# KiCad board helios-panel.kicad_pcb (continued)
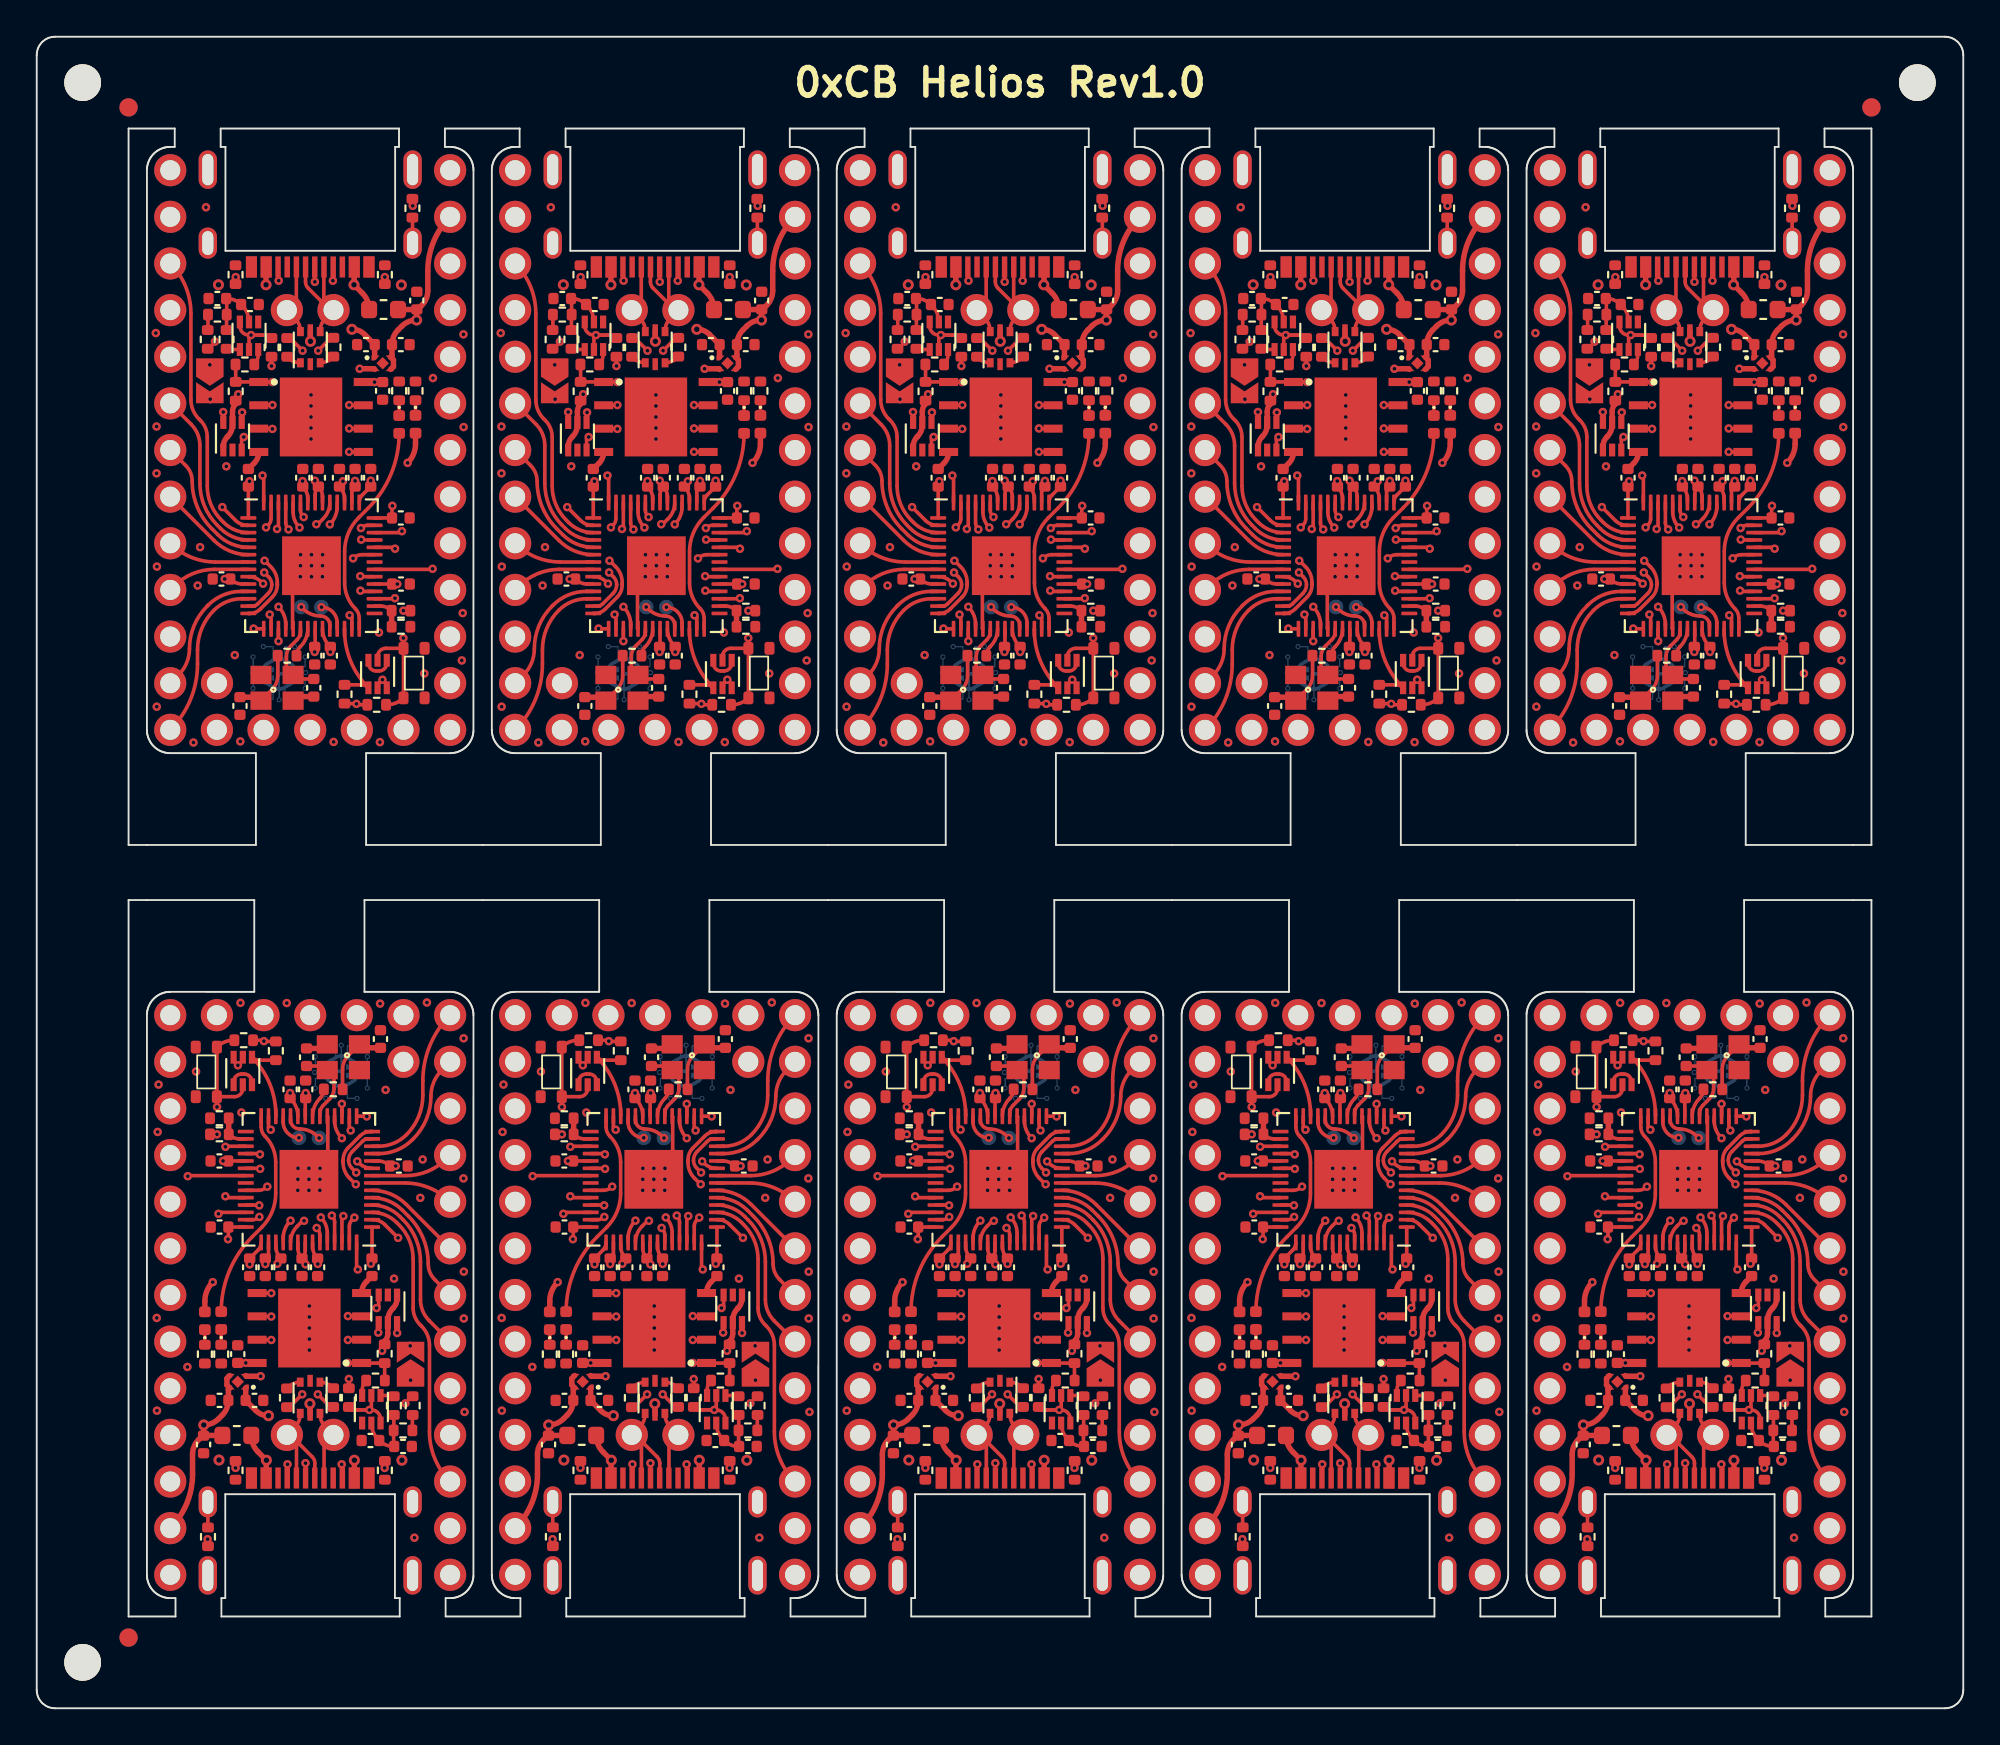
[diagram p0: board, top side]
## Routing (per net, layer and track width the routed paths; a pad name or vN(x,y) marks a point on that pad's centre or on a via; arc(x,y) is an arc through that point) (continued)
Board_4-Net-(C1-Pad1): length 3.7
  Top w0.2: 85.45,75.06 85.45,75.9 R5#3.1 85.47,76.75 C1#8.1 85.47,76.78 arc(85.89,76.7) C2.1 86.31,76.39 arc(86.58,75.99) Q2.5
Board_4-Net-(C7-Pad2): length 4.1
  Top w0.2: C7#4.2 89.3,56.06 Y1#9.3 88.86,56.5 arc(88.75,56.66) 88.72,56.85 88.72,57.28 arc(88.78,57.59) 88.95,57.86 89.3,58.21 arc(89.43,58.4) 89.48,58.64 U4#6.20
Board_4-Net-(C8-Pad2): length 4
  Top w0.2: Y1#9.1 87.93,55.48 arc(88.16,55.83) 88.25,56.24 R14.1
  Top w0.3: Y1#9.1 87.14,55.07 C8#3.2
Board_4-Net-(D1-Pad1): length 0.8
  Top w0.2: D1#2.1 R10#7.1
Board_4-Net-(D1-Pad2): length 24.2
  Top w0.2: JP1#4.2 84.56,71.56 v1(84.56,71.3)
  Top w0.3: D1#2.2 95.75,68.87 arc(95.63,68.31) v1(95.31,67.83)
  In1.Cu w0.2: v1(84.56,71.3) 84.55,71.3 arc(84.42,71.1) 84.38,70.87 84.38,68.2 arc(84.52,67.46) 84.94,66.83 85.69,66.08 arc(86.14,65.41) 86.3,64.62 86.3,64.23 arc(86.57,63.58) 87.22,63.3 90.5,63.3 arc(90.91,63.22) 91.25,62.99 91.96,62.28 arc(92.32,62.14) 92.67,62.28 92.69,62.3 arc(92.83,62.65) 92.69,63.01 92.45,63.25 arc(92.09,64.12) 92.45,64.99 95.29,67.83 v1(95.31,67.83)
Board_4-Net-(D2-Pad1): length 0.8
  Top w0.2: D2#5.1 R15#6.1
Board_4-Net-(FB1-Pad1): length 1.4
  Top w0.2: 95.58,79.8 95.58,81.19 FB1#9.1
Board_4-Net-(J1-PadA5): length 4.1
  Top w0.2: v1(91.25,77.75) 91.25,77.76 91.25,78.5 ; R7#3.2 v1(94.08,77.95)
  In1.Cu w0.2: v1(94.08,77.95) 93.97,78.05 91.98,78.05 arc(91.58,77.98) v1(91.25,77.75)
Board_4-Net-(J1-PadB5): length 3.6
  Top w0.2: R8#4.2 85.94,77.94 v1(85.95,77.95) ; 88.25,78.5 88.25,77.79 v1(88.29,77.75)
  In1.Cu w0.2: v1(85.95,77.95) 86.06,78.05 87.57,78.05 arc(87.96,77.98) v1(88.29,77.75)
Board_4-Net-(Q1-Pad5): length 28.5
  Top w0.2: 87.43,74.79 86.68,74.79 arc(86.33,74.94) 86.18,75.29 Q2.6 ; 87.43,74.79 87.75,74.79 R2#10.2 ; 87.43,74.79 v1(86.79,74.79) 86.68,74.68 Q2.2 ; Q1#5.5 93.68,55.76 v1(93.94,56.02) 94.18,55.79 Q1#5.6
  In2.Cu w0.2: v1(86.79,74.79) 86.67,74.67 arc(86.56,74.5) 86.52,74.31 86.52,72.23 arc(86.56,72.04) 86.67,71.88 86.7,71.84 arc(86.83,71.64) 86.88,71.41 86.88,68.84 arc(86.8,68.45) 86.58,68.12 arc(86.31,67.72) 86.22,67.25 86.22,66.27 arc(86.45,65.12) 87.1,64.15 88.35,62.9 arc(88.68,62.4) 88.8,61.82 88.8,59.42 arc(89.79,57.02) 92.2,56.02 93.94,56.02 v1(93.94,56.02)
Board_4-Net-(Q2-Pad1): length 0.7
  Top w0.2: Q2.1 85.5,74.01 R4#5.1
Board_4-Net-(R5-Pad2): length 0.8
  Top w0.2: 84.43,75.06 84.44,75.08 R5#3.2
Board_4-Net-(R14-Pad2): length 1.6
  Top w0.2: R14.2 arc(89.32,57.59) 89.46,57.81 89.48,57.83 arc(89.78,58.27) U4#6.21
Board_4-VBUS: length 28.7
  Top w0.2: v1(95.08,59.78) R16#7.1
  Top w0.3: v2(87.61,77.53) 87.61,78.5 ; 92.41,78.5 92.41,77.54 v2(92.39,77.53) 92.84,77.08 arc(93.12,76.67) F1#8.1
  In2.Cu w0.2: v1(95.08,59.78) arc(95.61,60.56) 95.79,61.48 95.79,69.34 arc(94.91,73.77) v2(92.39,77.53)
  In2.Cu w0.3: v2(87.61,77.53) arc(87.87,78.18) 88.52,78.45 91.48,78.45 arc(92.13,78.18) v2(92.39,77.53)
Board_5-+1V1: length 15.7
  Top w0.2: v1(15.3,24.2) 15.3,24.21 C17#8.1 arc(15.09,24.8) 15.02,25.16 U4#9.50 ; v1(13.11,24.21) 13.3,24.4 C10#7.2 arc(13.09,24.8) 13.02,25.16 U4#9.45 ; v1(13.8,33.51) C19#9.1 13.83,33.2 arc(14.12,32.76) U4#9.23
  In2.Cu w0.2: v1(15.3,24.2) 14.27,25.24 ; 14.27,25.24 13.74,25.76 arc(13.45,26.2) 13.35,26.72 13.35,32.43 arc(13.46,33.01) v1(13.8,33.51) ; 14.27,25.24 13.23,24.21 v1(13.11,24.21)
Board_5-+3V3: length 20.5
  Top w0.2: 11.41,29.81 C12#5.1 v1(10.14,29.81) ; R3#9.1 12.39,36.32 v1(12.37,36.34) 12.32,36.39 R1#3.1 ; v1(14.64,24.18) 14.45,24.37 C14#8.1 ; U4#9.1 18.26,24.5 C16#4.1 18.26,24.27 v1(18.2,24.21) ; v1(19.55,29.54) C15#8.1 arc(18.94,29.74) 18.58,29.81 U4#9.10 ; v1(10.41,25.55) 10.43,25.57 C13#6.1 11.41,26.21 ; R2#8.1 v1(17,17.94) ; C6#5.1 v1(11.39,18.81) 11.39,18.81 U3#6.8 ; v1(11.59,24.18) C18#4.1 12.05,24.95 arc(12.17,25.14) U4#9.43 ; v1(12.45,24.19) C9#3.2 12.56,24.62 arc(12.6,24.68) 12.62,24.76 U4#9.44 ; v1(18.8,19.47) 18.8,19.68 R11#3.1 ; U4#9.48 14.22,25.04 arc(14.28,24.75) C14#8.1 ; U4#9.22 14.62,33.21 C11#9.1 ; U4#9.49 14.62,24.92 arc(14.57,24.69) C14#8.1
  Top w0.3: R11#3.1 18.95,20 19,20.05 arc(19.09,20.23) 19.12,20.42 U5#3.5 19.12,21.13 arc(19.19,21.48) 19.39,21.78 19.4,21.79 arc(19.56,22.03) 19.62,22.32 U5#3.1 ; U2#3.1 11.38,16.78 ; C5#10.1 11.93,16.21 arc(12.25,16) 12.61,15.93
  vias: v1(14.64,33.51) v1(19.45,23.4) v1(20.35,17.87) v2(12.62,15.94)
Board_5-+5V: length 25.1
  Top w0.3: 9.09,14.86 C3.1 9.04,14.85 8.82,14.63 arc(8.57,14.26) 8.48,13.83 8.48,12.74 arc(8.17,11.16) J2#8.30 ; 9.09,14.86 v2(9.09,15.43) arc(9.53,15.52) 9.9,15.76 10.1,15.97 arc(10.35,16.34) C4#6.1 10.43,17.38 U2#3.4 10.36,17.6 10.36,17.97 U2#3.3 ; 9.09,14.86 F1#6.2 ; v2(14.88,16.59) 14.89,16.58 14.89,15.98 ; v1(19.62,20.44) 19.62,20.45 U5#3.6
  In1.Cu w0.3: v1(19.62,20.44) 19.62,20.16 arc(19.35,18.77) 18.56,17.6 arc(17.43,16.84) 16.1,16.58 14.89,16.58 v2(14.88,16.59) 11.9,16.59 arc(10.38,16.29) v2(9.09,15.43)
Board_5-/0_TX0: length 18.4
  Top w0.2: U4#9.2 18.31,26.61 arc(18.66,26.54) 18.95,26.34 v1(19.67,25.62)
  In1.Cu w0.2: J2#8.2 22.51,10.38 arc(22.47,10.57) 22.36,10.73 22.33,10.77 arc(21.44,12.1) 21.12,13.68 21.12,22.91 arc(20.94,23.82) 20.43,24.59 19.87,25.15 arc(19.73,25.37) v1(19.67,25.62)
Board_5-/1_RX0: length 16.4
  Top w0.2: J2#8.3 arc(21.68,13.6) 21.38,15.07 21.38,19.77 arc(21.27,20.33) 20.95,20.81 20.87,20.9 arc(20.59,21.31) 20.49,21.8 20.49,24.47 arc(20.29,25.48) 19.72,26.33 19.6,26.45 arc(18.99,26.87) U4#9.3
Board_5-/2_SDA1: length 9.4
  Top w0.2: J2#8.6 21.37,21.11 arc(21.02,21.64) 20.9,22.26 20.9,24.33 arc(20.65,25.56) 19.95,26.6 19.77,26.78 arc(19.08,27.25) U4#9.4
Board_5-/3_SCL1: length 7.3
  Top w0.2: J2#8.7 21.67,23.35 arc(21.41,23.74) 21.31,24.21 arc(21.04,25.61) 20.24,26.8 19.92,27.12 arc(19.16,27.63) U4#9.5
Board_5-/4: length 5.4
  Top w0.2: J2#8.8 20.12,27.44 arc(19.27,28.01) U4#9.6
Board_5-/5: length 4.5
  Top w0.2: U4#9.7 20.05,28.61 arc(21.38,28.34) J2#8.9
Board_5-/6: length 4.6
  Top w0.2: U4#9.8 20.1,29.01 arc(21.29,29.25) 22.3,29.92 J2#8.10
Board_5-/7: length 6.9
  Top w0.2: U4#9.9 18.22,29.41 arc(17.86,29.48) 17.56,29.69 v1(17.45,29.79)
  In2.Cu w0.2: v1(17.45,29.79) 18.8,31.13 arc(20.5,32.27) J2#8.11
Board_5-/8: length 7.3
  Top w0.2: U4#9.11 18.64,30.21 arc(19.61,30.4) 20.44,30.95 20.51,31.02 arc(21.22,32.08) 21.47,33.34 arc(21.62,34.1) 22.05,34.75 J2#8.12
Board_5-/9: length 9.2
  Top w0.2: U4#9.12 18.62,30.61 arc(19.44,30.77) 20.13,31.24 arc(20.79,32.23) 21.02,33.39 21.02,34.16 arc(21.41,36.11) J2#8.13
Board_5-/10: length 26.5
  Top w0.2: v1(17.4,29.18) 17.16,29.42 arc(17.03,29.61) 16.98,29.84 arc(17.03,30.1) 17.18,30.32 17.75,30.89 arc(17.88,30.98) 18.03,31.01 U4#9.13
  In2.Cu w0.2: v1(17.4,29.18) 17.43,29.18 20.71,25.9 arc(21.12,25.28) 21.27,24.56 21.27,10.28 arc(21.59,8.65) J2#8.1
Board_5-/11: length 38
  Top w0.2: U4#9.14 18.17,31.41 arc(17.87,31.35) 17.61,31.18 16.96,30.53 arc(16.75,30.22) 16.68,29.86 16.68,29.73 arc(16.77,29.26) 17.04,28.87 17.36,28.54 v1(17.38,28.54)
  In1.Cu w0.2: v1(17.38,28.54) 17.38,28.35 arc(17.47,28.13) 17.69,28.04 arc(18.55,27.68) 18.9,26.82 18.9,26.59 arc(19.07,25.76) 19.54,25.06 20.2,24.4 arc(20.66,23.7) 20.83,22.88 20.83,14.39 arc(20.27,13.06) 18.94,12.51 9.66,12.51 arc(8.83,12.17) 8.48,11.33 8.48,10.2 arc(8.17,8.62) J2#8.31
Board_5-/12: length 6.6
  Top w0.2: v1(17.97,32.23) 17.96,32.25 U4#9.15
  In1.Cu w0.2: v1(17.97,32.23) 17.97,32.92 arc(18.49,35.53) J2#8.14
Board_5-/13: length 7.2
  Top w0.2: U4#9.16 17.02,31.55 v1(17.09,31.47)
  In1.Cu w0.2: J2#8.15 17.43,32.28 arc(17.34,31.84) v1(17.09,31.47)
Board_5-/14: length 6
  Top w0.2: U4#9.17 16.62,32.92 v1(16.61,32.92)
  In1.Cu w0.2: v1(16.61,32.92) 16.61,33.59 arc(16.17,35.84) J2#8.16
Board_5-/15: length 9.5
  Top w0.2: U4#9.18 16.22,32 arc(16.32,31.49) v1(16.61,31.05)
  In1.Cu w0.2: J2#8.17 14.89,35.21 arc(15.72,33.96) 16.02,32.5 arc(16.17,31.71) v1(16.61,31.05)
Board_5-/16: length 7.9
  Top w0.2: U4#9.27 12.62,31.64 v1(12.75,31.51)
  In1.Cu w0.2: J2#8.18 10.41,37.15 arc(12.14,34.56) v1(12.75,31.51)
Board_5-/20_SDI: length 4.9
  Top w0.2: v1(10.27,30.58) 10.3,30.61 U4#9.31
  In1.Cu w0.2: J2#8.21 8.71,31.23 arc(9.43,30.75) v1(10.27,30.58)
Board_5-/21_CS: length 10.1
  Top w0.2: v1(12.16,30.17) 12.11,30.21 U4#9.32
  In1.Cu w0.2: J2#8.19 10.17,34.85 arc(11.47,33.02) 12.1,30.88 12.1,30.22 v1(12.16,30.17)
Board_5-/22_SCK: length 5.9
  Top w0.2: U4#9.34 12.14,29.41 v1(12.16,29.38)
  In1.Cu w0.2: v1(12.16,29.38) 12.12,29.34 9.19,29.34 arc(8.15,29.54) J2#8.22
Board_5-/23_SDO: length 9.8
  Top w0.2: U4#9.35 8.25,29.01 v1(8.23,28.98)
  In2.Cu w0.2: v1(8.23,28.98) 8.36,29.11 8.36,32.83 arc(8.12,34.03) 7.44,35.04 J2#8.20
Board_5-/A0: length 4.2
  Top w0.2: U4#9.38 10.34,27.81 v1(10.27,27.89)
  In1.Cu w0.2: v1(10.27,27.89) 7.98,27.89 arc(7.6,27.81) J2#8.23
Board_5-/A1: length 6.5
  Top w0.2: v1(12.11,27.39) 12.09,27.41 U4#9.39
  In1.Cu w0.2: J2#8.24 9.37,27.15 arc(9.66,27.34) 10,27.41 12.09,27.41 v1(12.11,27.39)
Board_5-/A2: length 6.8
  Top w0.2: U4#9.40 9.98,27.01 v1(9.89,26.93)
  In1.Cu w0.2: J2#8.25 8.63,23.87 arc(9.57,25.27) v1(9.89,26.93)
Board_5-/A3: length 9.4
  Top w0.2: v1(12.12,26.76) 12.12,26.76 arc(11.96,26.65) 11.77,26.61 U4#9.41
  In1.Cu w0.2: J2#8.26 8.14,20.84 arc(8.43,21.28) 8.54,21.8 arc(8.76,22.91) 9.38,23.85 12.12,26.59 v1(12.12,26.76)
Board_5-/BOOT: length 0.9
  Top w0.2: Q2#8.3 17.72,17.33 arc(17.78,17.61) R9#10.2
Board_5-/D+: length 12.7
  Top w0.2: v1(15.3,17.1) 16,16.41 R12#3.2 ; v1(14.55,26.55) 14.48,26.55 14.19,26.26 arc(13.92,25.85) U4#9.47
  In1.Cu w0.2: v1(15.3,17.1) 14.68,17.73 arc(14.2,18.45) 14.03,19.29 14.03,20.15 14.03,24.04 arc(14.07,24.23) 14.18,24.39 14.27,24.49 arc(14.38,24.65) 14.42,24.84 14.42,26.41 v1(14.55,26.55)
Board_5-/D-: length 12.7
  Top w0.2: v1(14.45,17.1) 13.75,16.4 R13#6.2 ; U4#9.46 13.42,25.59 arc(13.52,26.12) v1(13.82,26.56)
  In1.Cu w0.2: v1(14.45,17.1) 14.45,17.11 arc(14.42,17.3) 14.31,17.46 arc(13.77,18.27) 13.58,19.22 13.58,20.53 arc(13.55,20.6) 13.49,20.62 arc(13.43,20.65) 13.4,20.71 13.4,20.83 arc(13.43,20.9) 13.49,20.92 13.58,20.92 13.58,20.93 13.64,20.93 arc(13.69,20.95) 13.71,21 13.71,21.17 arc(13.69,21.22) 13.64,21.23 arc(13.6,21.25) 13.58,21.3 13.58,24.22 arc(13.62,24.41) 13.73,24.58 13.82,24.67 arc(13.93,24.83) 13.97,25.03 13.97,26.21 arc(13.93,26.4) 13.82,26.56 v1(13.82,26.56)
Board_5-/LED: length 11.7
  Top w0.2: U4#9.28 12.22,31.66 arc(12.27,31.39) 12.43,31.16 arc(12.86,30.51) 13.02,29.74 13.02,28.04 arc(12.82,27.04) 12.25,26.19 11.73,25.68 arc(10.48,23.81) D2#7.2
Board_5-/PORT+: length 7.1
  Top w0.2: 14.64,12.54 14.64,13.34 v1(14.64,13.35) ; U1#4.6 15.42,16.04 arc(15.5,15.66) 15.72,15.33 J2#8.34 15.64,14.38 15.64,12.54
  In1.Cu w0.2: J2#8.34 16,14.89 14.64,13.53 v1(14.64,13.35)
Board_5-/PORT-: length 7.1
  Top w0.2: J2#8.33 14.05,15.32 arc(14.27,15.65) 14.35,16.03 U1#4.4 ; J2#8.33 14.14,14.37 14.14,12.54 ; J2#8.33 13.8,14.89 15,13.7 arc(15.11,13.53) 15.14,13.34 15.14,12.54
Board_5-/QSPI_CLK: length 11.3
  Top w0.2: U4#9.52 15.82,25.89 arc(15.73,26.35) v1(15.47,26.73) ; v1(12.77,21.34) 12.76,21.35 U3#6.6
  In2.Cu w0.2: v1(15.47,26.73) 15.47,26.64 arc(15.93,25.94) 16.09,25.13 16.09,23.85 arc(15.92,23.43) 15.5,23.26 12.8,23.26 arc(12.44,23.11) 12.3,22.76 12.3,22.48 arc(12.42,21.86) v1(12.77,21.34)
Board_5-/QSPI_CS: length 9.8
  Top w0.2: v1(17.48,23.9) 17.42,23.97 17.42,25.35 ; R9#10.1 18.95,17.86 R11#3.2 17.7,18.8 U3#6.1 16.95,18.81 v1(16.95,18.81)
  In2.Cu w0.2: v1(17.48,23.9) arc(17.66,23.64) 17.72,23.34 17.72,20.68 arc(17.52,19.67) v1(16.95,18.81)
Board_5-/QSPI_SD0: length 11.3
  Top w0.2: v1(16.07,26.84) 16.07,26.83 arc(16.18,26.67) 16.22,26.48 U4#9.53 ; v1(12.77,22.61) 12.77,22.62 U3#6.5
  In2.Cu w0.2: v1(16.07,26.84) 16.07,26.76 arc(16.31,26.4) 16.39,25.98 16.39,23.8 arc(16.15,23.21) 15.56,22.96 14.73,22.96 arc(14.62,22.92) 14.57,22.81 14.57,22.56 arc(14.53,22.45) 14.43,22.41 arc(14.32,22.45) 14.27,22.56 14.27,22.81 arc(14.23,22.92) 14.12,22.96 arc(14.02,22.92) 13.98,22.81 13.98,22.56 arc(13.93,22.45) 13.82,22.41 arc(13.72,22.45) 13.68,22.56 13.68,22.81 arc(13.63,22.92) 13.52,22.96 arc(13.15,22.89) 12.83,22.67 v1(12.77,22.61)
Board_5-/QSPI_SD1: length 11.4
  Top w0.2: v1(17.3,26.72) 17.17,26.6 arc(17.06,26.43) 17.02,26.24 U4#9.55 ; U3#6.2 16.96,20.08 v1(16.95,20.06)
  In2.Cu w0.2: v1(17.3,26.72) 17.13,26.56 arc(17.03,26.41) 17,26.24 arc(17.04,26.13) 17.15,26.09 17.24,26.09 arc(17.35,26.05) 17.4,25.94 arc(17.35,25.83) 17.24,25.79 17.15,25.79 arc(17.04,25.75) 17,25.64 arc(17.04,25.53) 17.15,25.49 17.24,25.49 arc(17.35,25.45) 17.4,25.34 arc(17.35,25.23) 17.24,25.19 17.15,25.19 arc(17.04,25.15) 17,25.04 arc(17.04,24.93) 17.15,24.89 17.24,24.89 arc(17.35,24.85) 17.4,24.74 arc(17.35,24.63) 17.24,24.59 17.15,24.59 arc(17.04,24.55) 17,24.44 17,23.88 arc(17.03,23.69) 17.14,23.53 17.27,23.4 arc(17.38,23.23) 17.42,23.04 17.42,22.7 arc(17.38,22.6) 17.27,22.55 17.17,22.55 arc(17.06,22.51) 17.02,22.4 arc(17.06,22.3) 17.17,22.25 17.27,22.25 arc(17.38,22.21) 17.42,22.1 17.42,21.2 arc(17.3,20.59) v1(16.95,20.06)
Board_5-/QSPI_SD2: length 11.3
  Top w0.2: v1(16.7,26.81) 16.62,26.73 U4#9.54 ; v1(16.95,21.36) 16.96,21.35 U3#6.3
  In2.Cu w0.2: v1(16.7,26.81) 16.7,22.81 arc(16.65,22.7) 16.55,22.66 15.84,22.66 arc(15.74,22.62) 15.7,22.51 arc(15.74,22.4) 15.84,22.36 16.55,22.36 arc(16.65,22.32) 16.7,22.21 arc(16.65,22.1) 16.55,22.06 15.84,22.06 arc(15.74,22.02) 15.7,21.91 arc(15.74,21.8) 15.84,21.76 16.55,21.76 arc(16.65,21.72) 16.7,21.61 v1(16.95,21.36)
Board_5-/QSPI_SD3: length 11.4
  Top w0.2: v1(12.77,20.06) 12.75,20.08 U3#6.7 ; v1(15.25,26.16) 15.27,26.13 arc(15.38,25.97) 15.42,25.78 U4#9.51
  In2.Cu w0.2: v1(15.25,26.16) arc(15.65,25.55) 15.79,24.84 15.79,23.91 arc(15.7,23.68) 15.46,23.58 12.78,23.58 arc(12.2,23.34) 11.95,22.76 11.95,22.03 arc(12.17,20.96) v1(12.77,20.06)
Board_5-/RESET: length 24.7
  Top w0.2: v1(9.82,32.75) 9.81,32.76 SW1#9.2 ; SW1#9.2 10.77,33.31 arc(11.09,33.44) 11.22,33.76 Q1#8.2 11.21,33.96 ; SW1#9.2 SW1#9.2 arc(10.23,36.29) 10.72,36.39 R1#3.2
  In2.Cu w0.2: J2#8.28 arc(8.41,16.6) 8.81,18.61 8.81,30.33 arc(9.07,31.64) v1(9.82,32.75)
Board_5-/RGB_5V: length 17.5
  Top w0.2: U5#3.4 18.62,20.48 v1(18.59,20.46)
  In2.Cu w0.2: v1(18.59,20.46) arc(18.88,20.89) 18.98,21.39 18.98,24.88 arc(18.75,26.04) 18.09,27.02 16.82,28.29 arc(16.51,28.76) 16.4,29.31 arc(16.52,29.92) 16.87,30.44 18.78,32.34 arc(19.66,33.66) J2#8.32
Board_5-/RGB_DO: length 15.4
  Top w0.2: U4#9.37 12.07,28.21 arc(12.33,28.26) v1(12.55,28.41) ; U5#3.3 18.62,21.92 v1(18.51,21.8)
  In1.Cu w0.2: v1(18.51,21.8) 19.3,21.8 arc(19.95,22.07) 20.23,22.73 arc(20.08,23.46) 19.66,24.08 18.89,24.86 arc(18.45,25.51) 18.3,26.28 18.3,26.79 arc(18.11,27.25) 17.66,27.44 14.42,27.44 arc(13.6,27.6) 12.9,28.06 v1(12.55,28.41)
Board_5-/RST: length 4.9
  Top w0.2: U4#9.26 13.02,32.32 arc(12.68,34.02) Q1#8.4 11.73,35.45 arc(11.9,35.34) 12.09,35.3 R3#9.2
Board_5-/SWD_CLK: length 2.2
  Top w0.2: v1(15.38,31.06) 15.28,31.15 arc(14.84,31.45) 14.32,31.55 arc(13.97,31.7) 13.82,32.05 U4#9.24
Board_5-/SWD_IO: length 1.7
  Top w0.2: U4#9.25 13.42,31.92 arc(13.67,31.32) v1(14.27,31.07)
Board_5-/USB+: length 0.8
  Top w0.2: R12#3.1 16.09,17.48 arc(15.79,17.69) U1#4.1
Board_5-/USB-: length 0.8
  Top w0.2: R13#6.1 13.69,17.49 arc(13.99,17.69) U1#4.3
Board_5-GND: length 8.8
  Top w0.2: Q1#8.1 10.72,34.12 arc(10.85,34.42) 11.15,34.54 11.29,34.54 arc(11.59,34.42) 11.72,34.12 Q1#8.3 ; v1(14.82,28.81) 15.85,29.84 15.85,32.22 U4#9.19
  Top w0.3: C16#4.2 17.94,23.23 arc(17.76,22.95) U3#6.4 ; v1(12.2,18.09) 11.41,18.09 U2#3.2 ; C7#6.1 15.6,35.94 Y1#6.2
  vias: v1(6.54,21.26) v1(6.55,16.21) v1(6.64,33.97) v1(6.59,31.39) v1(8.2,18.59) v1(8.68,34.68) v1(9.3,9.21) v1(11.09,38.42) v1(11.14,32.45) v1(13.61,38.41) v1(14.23,29.41) v1(14.22,28.81) v1(14.21,28.21) v1(14.82,29.41) v1(14.82,28.21) v1(14.84,21.91) v1(14.84,21.31) v1(14.84,20.71) v1(14.84,20.11) v1(14.84,19.51) v1(15.43,29.41) v1(15.42,28.81) v1(15.41,28.21) v1(18.7,38.38) v1(18.99,33.68) v1(20.08,16.61) v1(20.56,9.29) v1(20.88,27.8) v1(21.02,29.89) v1(21.24,38.44) v1(23.24,36.49) v1(23.23,28.86) v1(23.26,23.78) v1(23.26,21.23) v1(23.3,16.14) v2(9.93,13.52) v2(19.88,13.51)
Board_5-Net-(C1-Pad1): length 3.7
  Top w0.2: 19.45,15.98 19.45,15.15 R5#2.1 19.44,14.29 C1#2.1 19.43,14.26 arc(19.01,14.34) C2#4.1 18.59,14.65 arc(18.32,15.05) Q2#8.5
Board_5-Net-(C7-Pad2): length 4.1
  Top w0.2: C7#6.2 15.6,34.98 Y1#6.3 16.04,34.54 arc(16.15,34.38) 16.18,34.19 16.18,33.76 arc(16.12,33.45) 15.95,33.18 15.6,32.83 arc(15.47,32.64) 15.42,32.4 U4#9.20
Board_5-Net-(C8-Pad2): length 4
  Top w0.2: Y1#6.1 16.97,35.56 arc(16.74,35.21) 16.66,34.8 R14#9.1
  Top w0.3: Y1#6.1 17.76,35.97 C8#10.2
Board_5-Net-(D1-Pad1): length 0.8
  Top w0.2: D1#10.1 R10#3.1
Board_5-Net-(D1-Pad2): length 24.2
  Top w0.2: JP1#10.2 20.34,19.48 v1(20.34,19.74)
  Top w0.3: D1#10.2 9.16,22.17 arc(9.27,22.73) v1(9.59,23.21)
  In1.Cu w0.2: v1(20.34,19.74) 20.35,19.74 arc(20.48,19.94) 20.52,20.17 20.52,22.84 arc(20.38,23.58) 19.96,24.21 19.21,24.96 arc(18.76,25.63) 18.6,26.42 18.6,26.81 arc(18.33,27.46) 17.68,27.74 14.4,27.74 arc(13.99,27.82) 13.65,28.05 12.94,28.76 arc(12.58,28.9) 12.23,28.76 12.21,28.74 arc(12.07,28.39) 12.21,28.03 12.45,27.79 arc(12.81,26.92) 12.45,26.05 9.61,23.21 v1(9.59,23.21)
Board_5-Net-(D2-Pad1): length 0.8
  Top w0.2: D2#7.1 R15#2.1
Board_5-Net-(FB1-Pad1): length 1.4
  Top w0.2: 9.32,11.24 9.32,9.86 FB1#6.1
Board_5-Net-(J1-PadA5): length 4.1
  Top w0.2: v1(13.66,13.29) 13.64,13.28 13.64,12.54 ; R7#5.2 v1(10.82,13.09)
  In1.Cu w0.2: v1(10.82,13.09) 10.93,12.99 12.92,12.99 arc(13.32,13.06) v1(13.66,13.29)
Board_5-Net-(J1-PadB5): length 3.6
  Top w0.2: R8#5.2 18.95,13.1 v1(18.95,13.09) ; 16.64,12.54 16.64,13.25 v1(16.61,13.29)
  In1.Cu w0.2: v1(18.95,13.09) 18.84,12.99 17.33,12.99 arc(16.94,13.06) v1(16.61,13.29)
Board_5-Net-(Q1-Pad5): length 28.5
  Top w0.2: 17.47,16.25 18.22,16.25 arc(18.57,16.1) 18.72,15.75 Q2#8.6 ; 17.47,16.25 17.16,16.25 R2#8.2 ; 17.47,16.25 v1(18.11,16.25) 18.22,16.36 Q2#8.2 ; Q1#8.5 11.22,35.29 v1(10.95,35.02) 10.72,35.26 Q1#8.6
  In2.Cu w0.2: v1(18.11,16.25) 18.23,16.37 arc(18.34,16.54) 18.38,16.73 18.38,18.81 arc(18.34,19) 18.23,19.16 18.2,19.2 arc(18.07,19.4) 18.02,19.63 18.02,22.2 arc(18.1,22.59) 18.32,22.92 arc(18.59,23.32) 18.68,23.79 18.68,24.77 arc(18.45,25.92) 17.8,26.89 16.55,28.14 arc(16.22,28.64) 16.1,29.22 16.1,31.62 arc(15.11,34.02) 12.7,35.02 10.96,35.02 v1(10.95,35.02)
Board_5-Net-(Q2-Pad1): length 0.7
  Top w0.2: Q2#8.1 19.41,17.04 R4#4.1
Board_5-Net-(R5-Pad2): length 0.8
  Top w0.2: 20.47,15.98 20.45,15.96 R5#2.2
Board_5-Net-(R14-Pad2): length 1.6
  Top w0.2: 15.64,33.71 arc(15.58,33.45) 15.44,33.23 15.42,33.21 arc(15.12,32.77) U4#9.21
Board_5-VBUS: length 28.7
  Top w0.2: v1(9.82,31.26) R16#4.1
  Top w0.3: v2(17.3,13.51) 17.3,12.54 ; 12.5,12.54 12.5,13.5 v2(12.5,13.51) 12.06,13.96 arc(11.78,14.37) F1#6.1
  In2.Cu w0.2: v1(9.82,31.26) arc(9.29,30.48) 9.11,29.56 9.11,21.7 arc(9.99,17.27) v2(12.5,13.51)
  In2.Cu w0.3: v2(17.3,13.51) arc(17.03,12.86) 16.38,12.59 13.42,12.59 arc(12.77,12.86) v2(12.5,13.51)
Board_6-+1V1: length 15.7
  Top w0.2: v1(34.09,24.2) 34.08,24.21 C17.1 arc(33.87,24.8) 33.8,25.16 U4.50 ; v1(31.88,24.21) 32.08,24.4 C10#9.2 arc(31.87,24.8) 31.8,25.16 U4.45 ; v1(32.58,33.51) C19#7.1 32.61,33.2 arc(32.9,32.76) U4.23
  In2.Cu w0.2: v1(34.09,24.2) 33.05,25.24 ; 33.05,25.24 32.52,25.76 arc(32.23,26.2) 32.13,26.72 32.13,32.43 arc(32.24,33.01) v1(32.58,33.51) ; 33.05,25.24 32.02,24.21 v1(31.88,24.21)
Board_6-+3V3: length 20.5
  Top w0.2: 30.19,29.81 C12#6.1 v1(28.92,29.81) ; R3#4.1 31.16,36.32 v1(31.15,36.34) 31.1,36.39 R1#5.1 ; v1(33.41,24.18) 33.23,24.37 C14#5.1 ; U4.1 37.04,24.5 C16#5.1 37.03,24.27 v1(36.98,24.21) ; v1(38.33,29.54) C15#6.1 arc(37.72,29.74) 37.36,29.81 U4.10 ; v1(29.2,25.55) 29.22,25.57 29.22,26.21 30.19,26.21 ; R2.1 v1(35.77,17.94) ; C6#3.1 v1(30.16,18.81) 30.17,18.81 U3#9.8 ; v1(30.38,24.18) C18#3.1 30.83,24.95 arc(30.95,25.14) U4.43 ; v1(31.23,24.19) C9.2 31.34,24.62 arc(31.38,24.68) 31.4,24.76 U4.44 ; v1(37.59,19.47) 37.59,19.68 R11#9.1 ; U4.48 33,25.04 arc(33.06,24.75) C14#5.1 ; U4.22 33.4,33.21 C11#7.1 ; U4.49 33.4,24.92 arc(33.35,24.69) C14#5.1
  Top w0.3: R11#9.1 37.73,20 37.78,20.05 arc(37.87,20.23) 37.9,20.42 U5#5.5 37.9,21.13 arc(37.97,21.48) 38.17,21.78 38.18,21.79 arc(38.34,22.03) 38.4,22.32 U5#5.1 ; U2#5.1 30.16,16.78 ; C5#3.1 30.71,16.21 arc(31.03,16) 31.4,15.93
  vias: v1(33.42,33.51) v1(38.23,23.4) v1(39.13,17.87) v2(31.4,15.94)
Board_6-+5V: length 25.1
  Top w0.3: 27.88,14.86 C3#2.1 27.81,14.85 27.6,14.63 arc(27.35,14.26) 27.27,13.83 27.27,12.74 arc(26.95,11.16) J2#6.30 ; 27.88,14.86 v2(27.88,15.43) arc(28.31,15.52) 28.68,15.76 28.88,15.97 arc(29.13,16.34) 29.22,16.77 29.22,17.38 U2#5.4 29.14,17.6 29.14,17.97 U2#5.3 ; 27.88,14.86 F1#7.2 ; v2(33.66,16.59) 33.66,16.58 33.66,15.98 ; v1(38.41,20.44) 38.4,20.45 U5#5.6
  In1.Cu w0.3: v1(38.41,20.44) 38.41,20.16 arc(38.13,18.77) 37.34,17.6 arc(36.21,16.84) 34.88,16.58 33.67,16.58 v2(33.66,16.59) 30.68,16.59 arc(29.16,16.29) v2(27.88,15.43)
Board_6-/0_TX0: length 18.4
  Top w0.2: U4.2 37.09,26.61 arc(37.44,26.54) 37.73,26.34 v1(38.45,25.62)
  In1.Cu w0.2: J2#6.2 41.29,10.38 arc(41.25,10.57) 41.14,10.73 41.11,10.77 arc(40.22,12.1) 39.91,13.68 39.91,22.91 arc(39.72,23.82) 39.21,24.59 38.65,25.15 arc(38.51,25.37) v1(38.45,25.62)
Board_6-/1_RX0: length 16.4
  Top w0.2: J2#6.3 arc(40.46,13.6) 40.16,15.07 40.16,19.77 arc(40.05,20.33) 39.73,20.81 39.65,20.9 arc(39.37,21.31) 39.27,21.8 39.27,24.47 arc(39.07,25.48) 38.5,26.33 38.38,26.45 arc(37.77,26.87) U4.3
Board_6-/2_SDA1: length 9.4
  Top w0.2: J2#6.6 40.15,21.11 arc(39.8,21.64) 39.67,22.26 39.67,24.33 arc(39.43,25.56) 38.73,26.6 38.55,26.78 arc(37.86,27.25) U4.4
Board_6-/3_SCL1: length 7.3
  Top w0.2: J2#6.7 40.45,23.35 arc(40.19,23.74) 40.09,24.21 arc(39.82,25.61) 39.02,26.8 38.7,27.12 arc(37.94,27.63) U4.5
Board_6-/4: length 5.4
  Top w0.2: J2#6.8 38.9,27.44 arc(38.05,28.01) U4.6
Board_6-/5: length 4.5
  Top w0.2: U4.7 38.83,28.61 arc(40.16,28.34) J2#6.9
Board_6-/6: length 4.6
  Top w0.2: U4.8 38.88,29.01 arc(40.07,29.25) 41.08,29.92 J2#6.10
Board_6-/7: length 6.9
  Top w0.2: U4.9 37,29.41 arc(36.64,29.48) 36.34,29.69 v1(36.23,29.79)
  In2.Cu w0.2: v1(36.23,29.79) 37.58,31.13 arc(39.28,32.27) J2#6.11
Board_6-/8: length 7.3
  Top w0.2: U4.11 37.42,30.21 arc(38.39,30.4) 39.22,30.95 39.29,31.02 arc(40,32.08) 40.24,33.34 arc(40.4,34.1) 40.83,34.75 J2#6.12
Board_6-/9: length 9.2
  Top w0.2: U4.12 37.4,30.61 arc(38.22,30.77) 38.91,31.24 arc(39.57,32.23) 39.8,33.39 39.8,34.16 arc(40.19,36.11) J2#6.13
Board_6-/10: length 26.5
  Top w0.2: v1(36.17,29.18) 35.94,29.42 arc(35.81,29.61) 35.76,29.84 arc(35.81,30.1) 35.96,30.32 36.53,30.89 arc(36.66,30.98) 36.81,31.01 U4.13
  In2.Cu w0.2: v1(36.17,29.18) 36.21,29.18 39.49,25.9 arc(39.9,25.28) 40.05,24.56 40.05,10.28 arc(40.37,8.65) J2#6.1
Board_6-/11: length 38
  Top w0.2: U4.14 36.95,31.41 arc(36.65,31.35) 36.39,31.18 35.74,30.53 arc(35.53,30.22) 35.46,29.86 35.46,29.73 arc(35.55,29.26) 35.82,28.87 36.14,28.54 v1(36.16,28.54)
  In1.Cu w0.2: v1(36.16,28.54) 36.16,28.35 arc(36.25,28.13) 36.47,28.04 arc(37.33,27.68) 37.68,26.82 37.68,26.59 arc(37.85,25.76) 38.32,25.06 38.98,24.4 arc(39.44,23.7) 39.6,22.88 39.6,14.39 arc(39.05,13.06) 37.72,12.51 28.44,12.51 arc(27.61,12.17) 27.27,11.33 27.27,10.2 arc(26.95,8.62) J2#6.31
Board_6-/12: length 6.6
  Top w0.2: v1(36.75,32.23) 36.74,32.25 U4.15
  In1.Cu w0.2: v1(36.75,32.23) 36.75,32.92 arc(37.27,35.53) J2#6.14
Board_6-/13: length 7.2
  Top w0.2: U4.16 35.8,31.55 v1(35.88,31.47)
  In1.Cu w0.2: J2#6.15 36.21,32.28 arc(36.12,31.84) v1(35.88,31.47)
Board_6-/14: length 6
  Top w0.2: U4.17 35.4,32.92 v1(35.4,32.92)
  In1.Cu w0.2: v1(35.4,32.92) 35.4,33.59 arc(34.95,35.84) J2#6.16
Board_6-/15: length 9.5
  Top w0.2: U4.18 35,32 arc(35.1,31.49) v1(35.4,31.05)
  In1.Cu w0.2: J2#6.17 33.67,35.21 arc(34.5,33.96) 34.8,32.5 arc(34.95,31.71) v1(35.4,31.05)
Board_6-/16: length 7.9
  Top w0.2: U4.27 31.4,31.64 v1(31.52,31.51)
  In1.Cu w0.2: J2#6.18 29.19,37.15 arc(30.92,34.56) v1(31.52,31.51)
Board_6-/20_SDI: length 4.9
  Top w0.2: v1(29.05,30.58) 29.09,30.61 U4.31
  In1.Cu w0.2: J2#6.21 27.49,31.23 arc(28.21,30.75) v1(29.05,30.58)
Board_6-/21_CS: length 10.1
  Top w0.2: v1(30.94,30.17) 30.9,30.21 U4.32
  In1.Cu w0.2: J2#6.19 28.95,34.85 arc(30.25,33.02) 30.88,30.88 30.88,30.22 v1(30.94,30.17)
Board_6-/22_SCK: length 5.9
  Top w0.2: U4.34 30.91,29.41 v1(30.95,29.38)
  In1.Cu w0.2: v1(30.95,29.38) 30.9,29.34 27.97,29.34 arc(26.93,29.54) J2#6.22
Board_6-/23_SDO: length 9.8
  Top w0.2: U4.35 27.03,29.01 v1(27.01,28.98)
  In2.Cu w0.2: v1(27.01,28.98) 27.13,29.11 27.13,32.83 arc(26.9,34.03) 26.22,35.04 J2#6.20
Board_6-/A0: length 4.2
  Top w0.2: U4.38 29.12,27.81 v1(29.05,27.89)
  In1.Cu w0.2: v1(29.05,27.89) 26.76,27.89 arc(26.38,27.81) J2#6.23
Board_6-/A1: length 6.5
  Top w0.2: v1(30.9,27.39) 30.88,27.41 U4.39
  In1.Cu w0.2: J2#6.24 28.15,27.15 arc(28.44,27.34) 28.78,27.41 30.87,27.41 v1(30.9,27.39)
Board_6-/A2: length 6.8
  Top w0.2: U4.40 28.76,27.01 v1(28.67,26.93)
  In1.Cu w0.2: J2#6.25 27.41,23.87 arc(28.35,25.27) v1(28.67,26.93)
Board_6-/A3: length 9.4
  Top w0.2: v1(30.91,26.76) 30.9,26.76 arc(30.74,26.65) 30.55,26.61 U4.41